# Allegro board 038RT-9068CJK8E-A100_0921_1.brd (continued)
## Routing (per net, layer and track width the routed paths; a pad name or vN(x,y) marks a point on that pad's centre or on a via; arc(x,y) is an arc through that point) (continued)
SG3_PGATE: length 76.6
  L05_SIGNAL w0.102: 602.4,273.84 602.4,270.72 602.29,270.62 599.99,270.62 v1(599.6,270.22)
  L05_SIGNAL w0.105: v2(557.39,283.66) 557.39,291.48 560.49,294.58 587.83,294.58 591.29,291.12 598.35,291.12 602.4,287.07 602.4,273.84
SG3_PH_GPIOA_1: length 128.2
  L11_SIGNAL w0.105: SG3_GPIOA1_2.1 635.07,282.99 635.07,285.08 629.85,290.3 527.6,290.3 v2(524.37,287.07)
  BOTTOM w0.115: v2(524.37,287.07) 523.93,287.07 523.76,286.89 523.76,281.01 UNK3RD180.2
SG3_PH_GPIOA_2: length 130.1
  L11_SIGNAL w0.105: v2(525.64,284.67) 524.48,284.67 523.69,285.46 523.69,287.77 526.94,291.02 632.12,291.02 SG3_GPIOA1_2.3
  BOTTOM w0.115: v2(525.64,284.67) 525.14,284.67 525,284.53 525,280.73 UNK3RD181.2
SG3_RESETB: length 60.7
  L03_SIGNAL w0.145: v1(593.2,273.42) 593.2,273.57 591.14,275.63 564.31,275.63 561.23,278.71 545.47,278.71 541.55,282.63 541.55,285.39 v2(540.88,286.07)
  BOTTOM w0.115: UNK3R584.1 v2(540.88,286.07)
SG3_RSET: length 1.3
  BOTTOM w0.115: UNK3R69.1 v1(605.2,266.22)
SG3_RTT: length 25.5
  L05_SIGNAL w0.102: 605.62,265.02 603.2,265.02 v1(602.8,265.42)
  L05_SIGNAL w0.105: v1(621.84,252.73) 621.84,254.85 621.08,255.61 617.9,255.61 608.49,265.02 605.62,265.02
SG3_SPI_CSB: length 36.1
  L03_SIGNAL w0.102: v1(597.2,261.42) 597.6,261.02 597.6,258.7
  L03_SIGNAL w0.145: v1(626.58,251.66) 623.42,254.82 619.69,254.82 616.38,258.13 606.26,258.13 605.66,257.53 601.43,257.53 600.8,256.89 598.87,256.89 597.6,258.16 597.6,258.7
SG3_SPI_SCK: length 41.5
  L03_SIGNAL w0.102: v1(594.8,261.42) 595.2,261.02 595.2,258.7
  L03_SIGNAL w0.145: v1(626.58,245.95) 625.15,245.95 615.37,255.73 607.26,255.73 606.66,255.13 602.43,255.13 601.79,254.49 597.88,254.49 595.2,257.17 595.2,258.7
SG3_SPI_SI: length 43.4
  L03_SIGNAL w0.102: 594.4,257.92 594.4,261.02 v1(594,261.42)
  L03_SIGNAL w0.145: v1(626.58,244.02) 625.76,244.02 614.67,255.1 608.15,255.1 607.24,254.19 603.82,254.19 603.32,253.69 597.55,253.69 594.4,256.84 594.4,257.92
SG3_SPI_SO: length 38.4
  L03_SIGNAL w0.102: 596.8,258.7 596.8,261.02 v1(596.4,261.42)
  L03_SIGNAL w0.145: 596.8,258.7 596.8,257.83 598.54,256.09 601.13,256.09 601.76,256.73 605.99,256.73 606.59,257.33 616.05,257.33 619.36,254.02 623.11,254.02 623.71,253.42 623.71,252.63 v1(626.58,249.76)
SG3_SRC_DVDD09:
  vias: v1(573.03,266.11) v1(573.16,269.38) v1(573.67,266.11) v1(573.79,269.38) v2(560.57,449.34) v2(563.11,449.34) v2(609.46,327.66) v2(609.46,309.88) v2(609.46,306.07) v2(610.09,331.47) v2(610.09,317.5) v2(610.09,316.23) v2(610.73,339.09) v2(610.73,337.82) v2(610.73,309.88) v2(611.36,331.47) v2(611.36,317.5) v2(611.36,316.23) v2(612,339.09) v2(612,337.82) v2(612,309.88) v2(612.63,331.47) v2(615.81,331.47) v2(615.81,327.66) v2(615.81,309.88) v2(615.81,306.07) v2(616.44,339.09) v2(616.44,337.82) v2(616.44,317.5) v2(616.44,316.23) v2(617.08,331.47) v2(617.08,309.88) v2(617.71,339.09) v2(617.71,337.82) v2(617.71,317.5) v2(617.71,316.23) v2(618.35,331.47) v2(618.35,309.88) v2(622.16,331.47) v2(622.16,327.66) v2(622.16,309.88) v2(622.16,306.07) v2(622.79,339.09) v2(622.79,337.82) v2(622.79,317.5) v2(622.79,316.23) v2(623.43,331.47) v2(623.43,309.88) v2(624.06,339.09) v2(624.06,337.82) v2(624.06,317.5) v2(624.06,316.23) v2(624.7,331.47) v2(624.7,309.88)
SG3_SRC_DVDD33:
  vias: v1(573.16,276.36) v1(573.79,276.36) v1(575.22,261.37) v1(575.22,257.34) v1(575.86,261.37) v1(575.86,257.34) v1(594.87,245.54) v1(594.87,244.9) v1(595.44,286.26) v1(595.44,285.62) v1(595.51,245.54) v1(595.51,244.9) v1(597.16,245.54) v1(597.16,244.9) v1(597.35,286.26) v1(597.35,285.62) v1(605.22,286.26) v1(605.22,285.62) v2(425.68,428.41) v2(428.81,428.41) v2(528.18,287.07) v2(531.99,287.07) v2(533.26,287.07) v2(534.53,287.07) v2(535.8,287.07) v2(537.07,287.07) v2(538.34,287.07) v2(540.88,287.07) v2(542.15,287.07) v2(543.42,287.07) v2(544.69,287.07) v2(545.96,287.07) v2(547.23,287.07) v2(548.5,287.07) v2(549.77,287.07) v2(551.04,287.07) v2(552.31,287.07) v2(553.58,287.07) v2(554.85,287.07) v2(555.02,444.83) v2(555.02,443.56) v2(555.07,441.95) v2(555.07,439.73) v2(556.79,444.83) v2(556.79,443.56) v2(558.55,444.83) v2(558.55,443.56) v2(558.66,319.4) v2(558.66,309.88) v2(559.71,443.96) v2(559.71,441.92) v2(559.71,439.89) v2(559.93,319.4) v2(559.93,309.88) v2(560.98,443.96) v2(560.98,441.92) v2(560.98,439.89) v2(561.2,319.4) v2(561.2,309.88) v2(562.25,443.96) v2(562.25,441.92) v2(562.25,439.89) v2(565.01,316.23) v2(565.01,309.88) v2(565.64,319.4) v2(566.28,309.88) v2(566.91,319.4) v2(567.55,309.88) v2(567.55,306.07) v2(568.18,319.4) v2(571.36,309.88) v2(571.99,317.5) v2(571.99,316.23) v2(572.63,309.88) v2(573.26,317.5) v2(573.26,316.23) v2(573.9,309.88) v2(577.71,309.88) v2(578.34,317.5) v2(578.34,316.23) v2(578.98,309.88) v2(579.15,420.01) v2(579.61,317.5) v2(579.61,316.23) v2(580.25,309.88) v2(584.06,309.88) v2(584.69,317.5) v2(584.69,316.23) v2(585.33,309.88) v2(585.96,317.5) v2(585.96,316.23) v2(586.6,309.88) v2(586.6,306.07) v2(589.31,420.01) v2(590.41,309.88) v2(591.04,317.5) v2(591.04,316.23) v2(591.68,309.88) v2(592.31,317.5) v2(592.31,316.23) v2(592.95,309.88) v2(596.76,309.88) v2(597.39,317.5) v2(597.39,316.23) v2(598.03,309.88) v2(598.66,317.5) v2(598.66,316.23) v2(599.3,309.88) v2(599.3,306.07) v2(603.11,309.88) v2(603.74,317.5) v2(603.74,316.23) v2(604.38,309.88) v2(605.01,317.5) v2(605.01,316.23) v2(605.65,309.88) v2(605.65,306.07)
SG3_TAPSL0: length 68.1
  L03_SIGNAL w0.102: 590.38,272.22 594.4,272.22 v1(594.8,272.62)
  L03_SIGNAL w0.145: 590.38,272.22 588.42,272.22 587.63,273.01 563.48,273.01 562.78,272.31 557.91,272.31 556.47,273.75 552.37,273.75 550.18,275.94 543.46,275.94 542.17,277.23 541.6,277.23 537.58,281.25 537.58,285.55 v2(537.07,286.07)
  BOTTOM w0.115: UNK3R281.1 v2(537.07,286.07)
SG3_TAPSL1: length 64.1
  L03_SIGNAL w0.102: v1(594,272.62) 593.6,273.02 590.38,273.02
  L03_SIGNAL w0.145: 590.38,273.02 588.75,273.02 588.07,273.7 564.18,273.7 560.38,277.5 544.36,277.5 538.93,282.93 538.93,285.48 v2(538.34,286.07)
  BOTTOM w0.115: UNK3R282.1 v2(538.34,286.07)
SG3_TCT: length 9.9
  TOP w0.115: UNK3T13.15 v2(633.45,321.85) ; UNK3T13.10 v2(639.8,321.85) ; UNK3C324.1 v2(636.62,321.85)
  L03_SIGNAL w0.145: v2(633.45,321.85) v2(636.62,321.85) v2(639.8,321.85)
SG3_U1_FE_MDI+: length 91.3
  TOP w0.105: 639.56,323.53 639.56,322.74
  TOP w0.115: v1(639.47,323.63) 639.56,323.53 ; UNK3T13.11 638.53,321.7 639.56,322.74
  L07_SIGNAL w0.1: v1(604.4,267.82) 604.8,267.42 605.42,267.42 605.65,267.65 606.9,267.65 607.42,267.13 609.78,267.13 610.96,268.31 610.96,274.96 608.75,277.17 608.75,291.23 612.29,294.76 612.29,297.2 619.94,304.85 619.94,318.63 620.85,319.54 625.92,319.54 627.29,320.91 634.5,320.91 636.94,323.35 637.08,323.35 637.24,323.2 637.38,323.2 637.52,323.34 637.52,323.48 637.37,323.63 637.37,323.77 638.63,325.03 639.3,325.03 639.61,324.72 639.61,323.78 v1(639.47,323.63)
SG3_U1_FE_MDI-: length 91.3
  TOP w0.105: 640.03,323.53 640.03,322.74
  TOP w0.115: 640.03,322.74 641.07,321.7 UNK3T13.9 ; v1(640.13,323.63) 640.03,323.53
  L07_SIGNAL w0.1: v1(640.13,323.63) 639.98,323.78 639.98,324.87 639.45,325.4 638.48,325.4 634.35,321.27 627.14,321.27 625.77,319.9 620.7,319.9 619.58,318.78 619.58,305.01 611.92,297.35 611.92,294.91 608.39,291.38 608.39,277.02 610.6,274.81 610.6,268.46 609.63,267.49 607.57,267.49 607.05,268.01 605.64,268.01 605.55,268.1 605.43,268.22 604.8,268.22 v1(604.4,268.62)
SG3_U1_FE_MDIX+: length 103.2
  TOP w0.105: 633.21,323.53 633.21,322.74
  TOP w0.115: v1(633.12,323.63) 633.21,323.53 ; 633.21,322.74 632.18,321.7 UNK3T13.16
  L07_SIGNAL w0.1: v1(633.12,323.63) 633.26,323.77 633.26,323.78 633.26,324.59 633.16,324.69 632.94,324.69 632.84,324.79 632.84,324.99 632.95,325.09 633.16,325.09 633.26,325.19 633.26,325.67 632.54,326.4 628.85,326.4 625.79,329.46 605.84,329.46 601.17,324.79 601.17,303.46 605.75,298.88 605.75,293.59 604.07,291.91 604.07,282.77 604.58,282.26 604.58,276.9 607.01,274.47 607.01,269.55 606.3,268.84 605.41,268.84 v1(605.2,268.62)
SG3_U1_FE_MDIX-: length 103.2
  TOP w0.105: 633.68,323.53 633.68,322.74
  TOP w0.115: v1(633.78,323.63) 633.68,323.53 ; UNK3T13.14 634.72,321.7 633.68,322.74
  L07_SIGNAL w0.1: v1(633.78,323.63) 633.63,323.78 633.63,325.82 632.69,326.76 629,326.76 625.94,329.82 605.69,329.82 600.81,324.94 600.81,303.31 605.38,298.73 605.38,293.74 603.71,292.06 603.71,282.62 604.22,282.11 604.22,276.75 606.65,274.32 606.65,269.7 606.15,269.2 605.41,269.2 v1(605.2,269.42)
SG3_U2_FE_MDI+: length 175.2
  TOP w0.105: 639.56,308.74 639.56,309.53
  TOP w0.115: 639.56,309.53 638.53,310.56 UNK3T13.6 ; v1(639.47,308.64) 639.56,308.74
  L40_SIGNAL w0.1: v1(656.41,163.03) 656.61,162.83 657.86,162.83 658.62,163.6 658.62,164.38 658.52,164.48 658.46,164.48 658.36,164.58 658.36,164.78 658.46,164.88 658.52,164.88 658.62,164.98 658.62,165.18 658.52,165.28 658.46,165.28 658.36,165.38 658.36,165.58 658.46,165.68 658.52,165.68 658.62,165.78 658.62,167.84 658,168.46 654.42,168.46 651.7,171.18 651.7,180.08 653.75,182.12 653.75,213.19 651.7,215.24 651.7,224.21 654.91,227.41 654.91,234.32 651.7,237.52 651.7,251.97 645.3,258.38 645.3,275.5 645.9,276.1 645.9,280.48 643.05,283.33 643.05,292.29 646.6,295.83 646.6,303.6 645.21,304.99 640.43,304.99 639.61,305.8 639.61,308.43 639.47,308.58 v1(639.47,308.64)
  BOTTOM w0.105: v1(656.41,163.03) 656.56,162.88 659.01,162.88 UNK3U6.27
SG3_U2_FE_MDI-: length 175.2
  TOP w0.105: 640.03,308.74 640.03,309.53
  TOP w0.115: v1(640.13,308.64) 640.03,308.74 ; UNK3T13.8 641.07,310.56 640.03,309.53
  L40_SIGNAL w0.1: v1(640.13,308.64) 639.98,308.49 639.98,305.95 640.58,305.35 645.36,305.35 646.96,303.75 646.96,295.68 643.41,292.14 643.41,283.48 646.26,280.63 646.26,275.95 645.66,275.35 645.66,258.53 652.07,252.12 652.07,237.67 655.27,234.47 655.27,227.26 652.07,224.06 652.07,215.39 654.11,213.34 654.11,181.97 652.07,179.93 652.07,171.33 654.57,168.82 658.15,168.82 658.99,167.99 658.99,163.45 658.01,162.47 656.61,162.47 v1(656.41,162.27)
  BOTTOM w0.105: UNK3U6.28 659.01,162.42 656.56,162.42 v1(656.41,162.27)
SG3_U2_FE_MDIX+: length 164.8
  TOP w0.105: 633.21,308.74 633.21,309.53
  TOP w0.115: v1(633.12,308.64) 633.21,308.74 ; 633.21,309.53 632.18,310.56 UNK3T13.1
  L40_SIGNAL w0.1: v1(656.41,166.03) 656.45,166.07 656.45,166.21 655.83,166.83 655.17,166.83 655.07,166.73 655.07,166.56 654.97,166.46 654.77,166.46 654.67,166.56 654.67,166.73 654.57,166.83 654.37,166.83 654.27,166.73 654.27,166.56 654.17,166.46 653.97,166.46 653.87,166.56 653.87,166.73 653.77,166.83 650.27,166.83 647.74,169.35 647.74,175.02 648.31,175.58 648.31,230.58 643.78,235.1 643.78,252.22 641.4,254.6 641.4,263.52 638.97,265.95 638.97,275.84 640.72,277.59 640.72,297.99 633.26,305.45 633.26,308.49 v1(633.12,308.64)
  BOTTOM w0.105: v1(656.41,166.03) 656.56,165.88 659.01,165.88 UNK3U6.21
SG3_U2_FE_MDIX-: length 164.8
  TOP w0.105: 633.68,308.74 633.68,309.53
  TOP w0.115: v1(633.78,308.64) 633.68,308.74 ; UNK3T13.3 634.72,310.56 633.68,309.53
  L40_SIGNAL w0.1: v1(656.41,165.27) 656.93,165.78 656.93,166.25 655.98,167.19 650.42,167.19 648.11,169.5 648.11,174.86 648.67,175.43 648.67,230.73 644.14,235.25 644.14,252.37 641.76,254.75 641.76,263.67 639.34,266.1 639.34,275.69 641.09,277.44 641.09,298.14 633.63,305.6 633.63,308.49 v1(633.78,308.64)
  BOTTOM w0.105: UNK3U6.22 659.01,165.42 656.56,165.42 v1(656.41,165.27)
SG3_U3_FE_MDI+: length 50
  BOTTOM w0.105: 675.58,155.56 675.58,154.64 674.63,153.69 666.89,153.69 666.25,154.33 666.25,160.48 666.15,160.59 663.91,160.59 663.58,160.25 663.58,154.33 662.94,153.69 655.1,153.69 648.83,159.97 648.83,162.3 649.9,163.38 651.3,163.38 UNK3U6.39
  BOTTOM w0.115: UNK3CON3.1 675.58,155.56
SG3_U3_FE_MDI-: length 50
  BOTTOM w0.105: 675.12,156.46 675.12,154.84 674.44,154.16 667.09,154.16 666.72,154.53 666.72,160.67 666.34,161.05 663.72,161.05 663.12,160.45 663.12,154.53 662.75,154.16 655.3,154.16 649.29,160.16 649.29,162.11 650.1,162.92 651.3,162.92 UNK3U6.38
  BOTTOM w0.115: 675.12,156.46 674.83,156.75 674.21,156.75 673.94,156.48 UNK3CON3.2
SG3_U3_FE_MDIX+: length 48.5
  BOTTOM w0.105: UNK3U6.45 651.3,166.38 649.47,166.38 647.09,164 647.09,158.32 655.36,150.05 663.43,150.05 664.87,148.61 674.63,148.61 675.44,149.43 675.44,152.89
  BOTTOM w0.115: UNK3CON3.3 675.44,152.89
SG3_U3_FE_MDIX-: length 48.5
  BOTTOM w0.105: UNK3U6.44 651.3,165.92 649.67,165.92 647.56,163.81 647.56,158.51 655.55,150.52 663.62,150.52 665.06,149.08 674.44,149.08 674.98,149.62 674.98,151.19
  BOTTOM w0.115: 674.98,151.19 674.79,151.38 672.51,151.38 672.24,151.11 672.24,150.39 672.51,150.11 UNK3CON3.6
SG3_U4_GIGA_MDI+: length 14.1
  TOP w0.105: v1(665.59,281.81) 665.69,281.9 666.69,281.9 667.18,282.4 667.18,285.45 670.42,288.69 671.64,288.69 UNK3GPHY2.1
  BOTTOM w0.105: UNK3K145.3 663.54,281.15 664.47,281.15 665.23,281.9 665.49,281.9 v1(665.59,281.81)
SG3_U4_GIGA_MDI-: length 14.1
  TOP w0.105: v1(665.59,282.47) 665.69,282.37 666.49,282.37 666.72,282.59 666.72,285.64 670.23,289.16 671.64,289.16 UNK3GPHY2.2
  BOTTOM w0.105: UNK3K145.2 663.54,281.61 664.28,281.61 665.04,282.37 665.49,282.37 v1(665.59,282.47)
SG3_VBAT:
  vias: v1(600.4,268.62) v2(623.43,267.33) v2(625.97,267.33) v2(627.24,267.33) v2(628.51,267.33) v2(630.54,267.33) v2(631.81,267.33) v2(633.08,267.33)
SG3_VDC: length 4.4
  TOP w0.508: SG3_VDC.1 S3_PH_VBAT.2
SG3_VO09: length 66.1
  L05_SIGNAL w0.102: 600.8,273.84 600.8,271.42 v1(600.4,271.02)
  L05_SIGNAL w0.105: 600.8,273.84 600.75,273.88 600.75,286.63 597.94,289.44 590.48,289.44 586.97,292.95 560.84,292.95 558.66,290.77 v2(558.66,286.07)
SG3_VSENSE: length 73.5
  L05_SIGNAL w0.102: 601.6,273.84 601.6,271.42 v1(601.2,271.02)
  L05_SIGNAL w0.105: v2(559.93,283.66) 559.26,283 558.39,283 557.96,283.43 557.96,290.86 560.87,293.77 587.36,293.77 590.92,290.21 598.17,290.21 601.64,286.74 601.64,273.88 601.6,273.84
SG3_WAKE: length 63.2
  L05_SIGNAL w0.102: 597.6,273.84 597.6,271.42 v1(598,271.02)
  L05_SIGNAL w0.105: v2(556.12,283.66) 556.12,283.22 557.62,281.72 560.36,281.72 562.45,283.81 562.45,289.87 563.21,290.62 584.6,290.62 593.47,281.74 595.65,281.74 596.75,280.65 596.75,276.93 597.6,276.08 597.6,273.84
SG3_WP: length 34.3
  L03_SIGNAL w0.102: 598.4,258.7 598.4,261.02 v1(598,261.42)
  L03_SIGNAL w0.145: 598.4,258.7 598.4,258.5 599.2,257.69 600.46,257.69 601.1,258.33 605.33,258.33 605.93,258.93 616.71,258.93 620.02,255.62 624.55,255.62 v1(626.58,253.59)
SH0_DPS_5V0: length 55.7
  TOP w0.254: HOST2.33 285.06,36.8 284.91,36.96 284.53,36.96 v2(284.26,37.22) ; HOST1.33 223.06,36.8 222.9,36.96 222.52,36.96 v2(222.26,37.22)
  TOP w0.3: HOST1.17 216.04,36.29 v2(215.94,36.19) ; HOST1.17 216.13,37.13 216.34,36.92 216.34,36.5 216.04,36.19 v2(215.94,36.19) ; HOST1.17 215.95,37.13 215.73,36.92 215.73,36.4 v2(215.94,36.19) ; HOST2.17 278.14,37.13 278.35,36.92 278.35,36.5 278.05,36.19 v2(277.95,36.19) ; HOST2.17 278.04,36.29 v2(277.95,36.19) ; HOST2.17 277.95,37.13 277.74,36.92 277.74,36.4 v2(277.95,36.19) ; HOST2.31 v2(284.26,37.22) ; HOST1.31 v2(222.26,37.22)
  TOP w0.508: v2(222.84,32.11) 223.68,31.27 223.68,29.86 226.2,27.33 226.2,22.14 224.39,20.32 SH01_DPS_5V0.1 ; SH02_DPS_5V0.1 286.4,20.32 288.21,22.14 288.21,27.33 285.69,29.86 285.69,31.27 v2(284.85,32.11)
  vias: v2(215.12,33.96) v2(215.12,33.2) v2(244.56,18.22) v2(244.56,17.21) v2(245.57,18.22) v2(245.57,17.21) v2(277.13,33.96) v2(277.13,33.2)
SH01_C_HSO+: length 4.1
  TOP w0.14: HOST1.68 217.06,44.56 217.06,45.12 215.73,46.44 215.73,47.62
  TOP w0.15: 215.73,47.62 215.59,47.76 CH168.2
SH01_C_HSO-: length 4.1
  TOP w0.14: 216.12,47.62 216.12,46.6 217.45,45.28 217.45,44.55 HOST1.67
  TOP w0.15: CH167.2 216.26,47.76 216.12,47.62
SH01_C_P6_HSI+: length 7.6
  BOTTOM w0.14: K213.38 249.22,192.77 248.44,192.77 248.3,192.91 248.3,195.01 247.29,196.02 244.68,196.02 244.54,196.16 CS104.1
SH01_C_P6_HSI-: length 7.6
  BOTTOM w0.14: CS103.1 244.54,195.49 244.68,195.63 247.13,195.63 247.91,194.85 247.91,192.75 248.28,192.38 249.22,192.38 K213.37
SH01_CC1: length 7.2
  TOP w0.115: v2(226.51,32.11) 226.51,32.8 224.82,34.49 222.73,34.49 221.86,35.37 HOST1.30
SH01_CC2: length 7.3
  TOP w0.115: v2(227.78,32.11) 227.78,32.29 225.04,35.03 222.95,35.03 222.66,35.32 HOST1.32
SH01_D_GPIO_VBUS: length 13.5
  TOP w0.115: HOST1.28 221.06,33.29 221.35,33 221.35,29.69 223.99,27.05 v2(224.64,27.05)
  L40_SIGNAL w0.105: v2(224.64,27.05) v2(224.64,24.51)
SH01_D_SJTCLK: length 7.6
  TOP w0.115: HOST1.5 215.03,41.93 213.78,43.18 213.4,43.18 212.7,43.88 212.7,45.97 212.07,46.61 v2(211.56,46.61)
SH01_D_SJTDI: length 5.5
  TOP w0.115: v2(211.56,44.07) 212.96,42.67 213.65,42.67 214.8,41.53 HOST1.6
SH01_D_SJTDO: length 8.8
  TOP w0.115: HOST1.9 215.43,40.33 215.37,40.39 214.04,40.39 213.27,41.15 211.62,41.15 209.02,43.75 v2(209.02,44.07)
SH01_D_SJTMS: length 10.6
  TOP w0.115: HOST1.8 214.33,40.73 213.4,41.66 211.98,41.66 209.71,43.92 209.71,45.92 v2(209.02,46.61)
SH01_DEV_SLP: length 15.3
  BOTTOM w0.115: RH1262.2 222.35,25.15 222.35,22.34 223.42,21.27 228.76,21.27 RH1263.2
SH01_DIS_DB: length 1.3
  TOP w0.115: HOST1.29 221.46,36.88 v2(221.11,37.22)
SH1_DPS_5V0: length 55.7
  TOP w0.254: UNK1HOST2.33 467.51,36.8 467.35,36.96 466.98,36.96 v2(466.71,37.22) ; UNK1HOST1.33 405.5,36.8 405.34,36.96 404.97,36.96 v2(404.7,37.22)
  TOP w0.3: UNK1HOST1.17 398.39,37.13 398.18,36.92 398.18,36.4 v2(398.39,36.19) ; UNK1HOST1.17 398.58,37.13 398.79,36.92 398.79,36.5 398.49,36.19 v2(398.39,36.19) ; UNK1HOST1.17 398.48,36.29 v2(398.39,36.19) ; UNK1HOST2.17 460.49,36.29 v2(460.4,36.19) ; UNK1HOST2.17 460.59,37.13 460.8,36.92 460.8,36.5 460.5,36.19 v2(460.4,36.19) ; UNK1HOST2.17 460.4,37.13 460.19,36.92 460.19,36.4 v2(460.4,36.19) ; UNK1HOST2.31 v2(466.71,37.22) ; UNK1HOST1.31 v2(404.7,37.22)
  TOP w0.508: SH11_DPS_5V0.1 406.84,20.32 408.65,22.14 408.65,27.33 406.12,29.86 406.12,31.27 v2(405.29,32.11) ; SH12_DPS_5V0.1 468.85,20.32 470.66,22.14 470.66,27.33 468.13,29.86 468.13,31.27 v2(467.3,32.11)
  vias: v2(397.57,33.96) v2(397.57,33.2) v2(427,18.22) v2(427,17.21) v2(428.02,18.22) v2(428.02,17.21) v2(459.58,33.96) v2(459.58,33.2)
SH01_GPIO8: length 33.2
  L05_SIGNAL w0.105: v2(206.48,45.34) 205.82,44.68 201.06,44.68 198.98,42.6 v2(198.98,18.03)
SH01_GPIO_VBUS: length 18.7
  L05_SIGNAL w0.105: v2(209.14,18.03) 216.88,25.78 v2(224.64,25.78)
SH01_ISOLATEBPIN: length 14
  TOP w0.115: HOST1.12 215.35,39.13 214.8,39.69 213.46,39.69 213.02,40.13 210.73,40.13 207.15,43.72 207.15,45.94 v2(206.48,46.61)
SH01_L_SWR_5TO1_OUT: length 29.1
  TOP w0.203: HOST1.2 215.11,43.13 214.25,43.99 214.25,44.97 214.62,45.34 v2(214.88,45.34)
  TOP w0.3: HOST1.55 222.26,45.31 v2(221.97,45.59) ; HOST1.63 219.06,46.1 v2(219.31,46.35) ; HOST1.60 220.26,45.27 220.58,45.59 v2(220.83,45.59) ; HOST1.35 224.74,37.13 225.18,36.69 v2(225.54,36.69) ; HOST1.11 v2(217.15,39.53) ; HOST1.25 v2(219.86,37.22)
  TOP w0.508: SH01_L_SWR_5TO1_OUT.1 196.79,36.68 201.61,41.5 203.85,41.5 v2(204.85,40.5)
  BOTTOM w0.292: CH1352.1 v2(225.54,36.69)
  BOTTOM w0.508: v2(221.97,45.59) 221.83,45.73 CH1552.1 ; v2(220.83,45.59) 220.59,45.83 CH1602.1
  vias: v2(204.85,39.74) v2(214.35,27.5) v2(219.93,55.25) v2(219.93,54.48) v2(228.78,34.54) v2(236.84,45.5) v2(238.11,45.5) v2(239.38,45.5)
SH01_LANWAKEB: length 13.9
  TOP w0.115: HOST1.10 215.31,39.93 215.23,40 213.78,40 213.15,40.64 211.18,40.64 208.26,43.56 v2(207.75,44.07)
  BOTTOM w0.115: RH1101.2 206.61,44.2 ; 206.61,44.2 207.11,44.7 207.11,45.76 RH1103.2 ; 206.61,44.2 RH1102.2
SH01_LDO_5TO3_OUT: length 21.8
  TOP w0.203: HOST1.1 215.54,43.53 v2(214.88,44.2)
  TOP w0.3: v2(225.54,38.34) 225.54,38.43 225.24,38.73 HOST1.39 ; HOST1.4 v2(217.15,42.33) ; HOST1.34 223.46,37.17 v2(223.4,37.22) ; HOST1.20 v2(217.86,37.22) ; HOST1.52 v2(223.46,43.44)
  TOP w0.508: v2(214.35,29.72) 213.35,30.72 212.39,30.72 212.03,30.36 212.03,23.85 209.14,20.96 SH01_LDO_5TO3_OUT.1
  BOTTOM w0.508: CH152.1 v2(223.46,43.44)
  vias: v2(201.4,44.07) v2(202.16,44.07) v2(203.56,45.34) v2(205.08,45.34) v2(207.75,47.88) v2(210.29,47.88) v2(211.85,50.76) v2(215.49,53.34) v2(221.59,23.24) v2(223.12,23.24) v2(224.64,23.24) v2(224.87,32.11) v2(228.78,36.57)
SH01_LED1: length 16.3
  BOTTOM w0.115: RH1273.2 230.66,21.91 224.38,21.91 223.88,22.4 223.88,25.15 RH1272.2
SH01_P6_CLKREQB: length 33.6
  TOP w0.115: v2(205.08,44.07) 209.53,39.62 212.96,39.62 213.21,39.37 214.61,39.37 215.25,38.73 HOST1.13
  L11_SIGNAL w0.105: v2(205.08,44.07) 204.52,44.63 199.15,44.63 193.89,49.89 193.89,51.54 193.01,52.42 190.65,52.42 K211.2
SH01_P6_HSI+: length 163.2
  TOP w0.14: v1(243.53,196.41) 243.74,196.2 arc(243.94,196.07) 244.19,196.02 244.24,196.02 arc(244.62,195.86) 244.77,195.49 244.77,194.48 arc(244.72,194.21) 244.57,193.99 241.56,190.97 arc(241.49,190.87) 241.46,190.76 241.46,180.87 arc(241.41,180.6) 241.26,180.37 240.31,179.42 arc(240.24,179.32) 240.22,179.2 240.22,75.87 arc(240.02,74.86) 239.45,74.01 221.55,56.11 arc(221.48,56.01) 221.46,55.89 221.46,52.99 arc(221.4,52.72) 221.25,52.49 218.74,49.98 arc(218.67,49.88) 218.65,49.76 218.65,44.55 HOST1.64
SH01_P6_HSI-: length 163.2
  TOP w0.14: v1(243.53,195.24) 243.77,195.48 arc(243.94,195.59) 244.14,195.63 244.24,195.63 arc(244.34,195.59) 244.38,195.49 244.38,194.48 arc(244.36,194.36) 244.29,194.26 241.28,191.25 arc(241.13,191.02) 241.07,190.76 241.07,180.87 arc(241.05,180.75) 240.98,180.65 240.04,179.7 arc(239.88,179.47) 239.83,179.2 239.83,75.88 arc(239.66,75.01) 239.17,74.28 226.81,61.92 arc(226.72,61.87) 226.61,61.84 226.58,61.84 arc(226.43,61.82) 226.31,61.73 arc(226.23,61.61) 226.2,61.46 226.2,61.43 arc(226.17,61.32) 226.11,61.22 226.03,61.14 arc(225.93,61.08) 225.82,61.05 225.79,61.05 arc(225.64,61.02) 225.52,60.94 arc(225.43,60.82) 225.41,60.67 225.41,60.64 arc(225.38,60.53) 225.32,60.43 225.24,60.35 arc(225.14,60.28) 225.02,60.26 225,60.26 arc(224.85,60.23) 224.73,60.15 arc(224.64,60.02) 224.61,59.88 224.61,59.85 arc(224.59,59.74) 224.53,59.64 224.44,59.56 arc(224.35,59.49) 224.23,59.47 224.2,59.47 arc(224.07,59.44) 223.96,59.37 223.92,59.33 arc(223.85,59.22) 223.82,59.09 223.82,59.06 arc(223.8,58.94) 223.73,58.85 223.65,58.76 arc(223.55,58.7) 223.44,58.68 223.41,58.68 arc(223.27,58.65) 223.15,58.57 223.14,58.56 arc(223.06,58.44) 223.03,58.29 223.03,58.27 arc(223.01,58.15) 222.94,58.06 221.27,56.38 arc(221.12,56.16) 221.07,55.89 221.07,52.99 arc(221.04,52.87) 220.97,52.77 218.47,50.26 arc(218.31,50.03) 218.26,49.76 218.26,44.56 HOST1.65
SH01_P6_HSO+: length 174.3
  TOP w0.14: v1(246.31,193.49) 246.39,193.57 arc(246.45,193.61) 246.53,193.63 246.74,193.63 arc(247.21,193.82) 247.41,194.29 247.41,196.65 arc(247.35,196.92) 247.2,197.15 246.61,197.74 arc(246.39,197.89) 246.12,197.94 242.69,197.94 arc(242.42,197.89) 242.2,197.74 239.18,194.72 arc(239.03,194.49) 238.97,194.22 238.97,181.71 arc(238.95,181.59) 238.88,181.49 238.13,180.73 arc(237.98,180.51) 237.93,180.24 237.93,80.15 arc(237.69,78.94) 237,77.92 231.69,72.61 217.71,58.63 arc(217.45,58.24) 217.36,57.77 217.36,52.2 arc(217.36,52.17) 217.35,52.14 arc(217.32,52.05) 217.27,51.98 215.73,50.45 215.73,48.9 arc(215.69,48.8) 215.59,48.76 CH168.1
  BOTTOM w0.14: K213.35 249.22,191.38 248.16,191.38 247.12,192.41 247.12,193.29 246.79,193.63 246.45,193.63 v1(246.31,193.49)
SH01_P6_HSO-: length 174.3
  TOP w0.14: v1(246.31,194.15) 246.39,194.08 arc(246.45,194.03) 246.53,194.02 246.74,194.02 arc(246.93,194.1) 247.02,194.29 247.02,196.65 arc(246.99,196.77) 246.92,196.87 246.34,197.46 arc(246.24,197.53) 246.12,197.55 242.69,197.55 arc(242.57,197.53) 242.47,197.46 239.45,194.44 arc(239.39,194.34) 239.36,194.22 239.36,181.71 arc(239.31,181.44) 239.16,181.21 238.41,180.46 arc(238.34,180.36) 238.32,180.24 238.32,80.15 arc(238.05,78.8) 237.28,77.65 231.96,72.33 arc(231.89,72.22) 231.87,72.1 231.87,72.07 arc(231.84,71.92) 231.75,71.8 231.7,71.75 arc(231.63,71.7) 231.55,71.69 231.42,71.69 arc(231.33,71.67) 231.25,71.61 231.17,71.54 arc(231.1,71.43) 231.07,71.3 231.07,71.28 arc(231.05,71.15) 230.98,71.04 230.88,70.95 230.88,70.94 arc(230.82,70.91) 230.76,70.89 230.63,70.89 arc(230.54,70.88) 230.46,70.82 230.38,70.75 arc(230.31,70.64) 230.28,70.51 230.28,70.48 arc(230.26,70.36) 230.18,70.25 230.1,70.17 230.08,70.15 arc(230.03,70.12) 229.97,70.1 229.84,70.1 arc(229.74,70.08) 229.66,70.03 229.59,69.95 arc(229.51,69.85) 229.49,69.72 229.49,69.69 arc(229.46,69.57) 229.39,69.46 229.31,69.38 229.29,69.36 arc(229.24,69.32) 229.18,69.31 229.05,69.31 arc(228.95,69.29) 228.87,69.24 228.79,69.16 arc(228.72,69.05) 228.7,68.93 228.7,68.9 arc(228.67,68.76) 228.59,68.64 228.53,68.58 arc(228.46,68.53) 228.38,68.52 228.25,68.52 arc(228.16,68.5) 228.08,68.45 228,68.37 arc(227.93,68.26) 227.91,68.14 227.91,68.11 arc(227.88,67.96) 227.79,67.83 227.75,67.79 arc(227.68,67.74) 227.59,67.73 227.46,67.73 arc(227.37,67.71) 227.29,67.65 227.21,67.58 arc(227.14,67.47) 227.11,67.34 227.11,67.32 arc(227.09,67.19) 227.02,67.09 226.91,66.98 arc(226.86,66.95) 226.8,66.94 226.67,66.94 arc(226.58,66.92) 226.5,66.86 226.42,66.79 arc(226.35,66.68) 226.32,66.55 226.32,66.53 arc(226.29,66.38) 226.21,66.27 226.15,66.2 arc(226.08,66.16) 226.01,66.14 225.88,66.14 arc(225.78,66.12) 225.7,66.07 225.63,65.99 arc(225.55,65.89) 225.53,65.76 225.53,65.73 arc(225.5,65.58) 225.41,65.45 225.41,65.45 arc(225.3,65.38) 225.18,65.35 225.09,65.35 arc(224.99,65.33) 224.91,65.28 224.83,65.2 arc(224.76,65.09) 224.74,64.97 224.74,64.94 arc(224.71,64.82) 224.64,64.71 224.58,64.65 224.54,64.61 arc(224.49,64.57) 224.42,64.56 224.29,64.56 arc(224.2,64.54) 224.12,64.49 224.04,64.41 arc(223.97,64.3) 223.95,64.18 223.95,64.15 arc(223.92,64.02) 223.85,63.92 223.77,63.84 223.75,63.82 arc(223.69,63.78) 223.63,63.77 223.5,63.77 arc(223.41,63.75) 223.33,63.7 223.25,63.62 arc(223.18,63.51) 223.15,63.38 223.15,63.36 arc(223.13,63.23) 223.06,63.12 222.96,63.03 222.96,63.02 arc(222.9,62.99) 222.84,62.98 222.71,62.98 arc(222.62,62.96) 222.54,62.9 222.46,62.83 arc(222.39,62.72) 222.36,62.59 222.36,62.57 arc(222.34,62.44) 222.27,62.33 222.18,62.24 222.16,62.23 arc(222.11,62.2) 222.05,62.18 221.92,62.18 arc(221.82,62.16) 221.74,62.11 221.67,62.03 arc(221.59,61.93) 221.57,61.8 221.57,61.77 arc(221.54,61.65) 221.47,61.54 221.39,61.46 221.37,61.44 arc(221.32,61.4) 221.26,61.39 221.13,61.39 arc(221.04,61.37) 220.96,61.33 217.99,58.36 arc(217.81,58.09) 217.75,57.77 217.75,52.2 arc(217.74,52.13) 217.74,52.07 arc(217.67,51.87) 217.54,51.7 216.12,50.29 216.12,48.9 arc(216.17,48.8) 216.26,48.76 CH167.1
  BOTTOM w0.14: v1(246.31,194.15) 246.45,194.02 246.95,194.02 247.51,193.45 247.51,192.57 248.32,191.77 249.22,191.77 K213.36
